# Altium PCB node24.PcbDoc (part 8 of 10)
Units mm, origin at the board's own origin, x right, y up, seen from the top; angles counter-clockwise.
Board outline 177.92 x 177.92 mm, 6 copper layers (L1 - Signal 1 (Top), L2 - Signal 2, L3 - Ground, L4 - Power, L5 - Signal 3, L6 - Signal 4 (Bot)), stack 1.511 mm thick; 721 components, 595 nets, 2782 pads, 2075 vias.
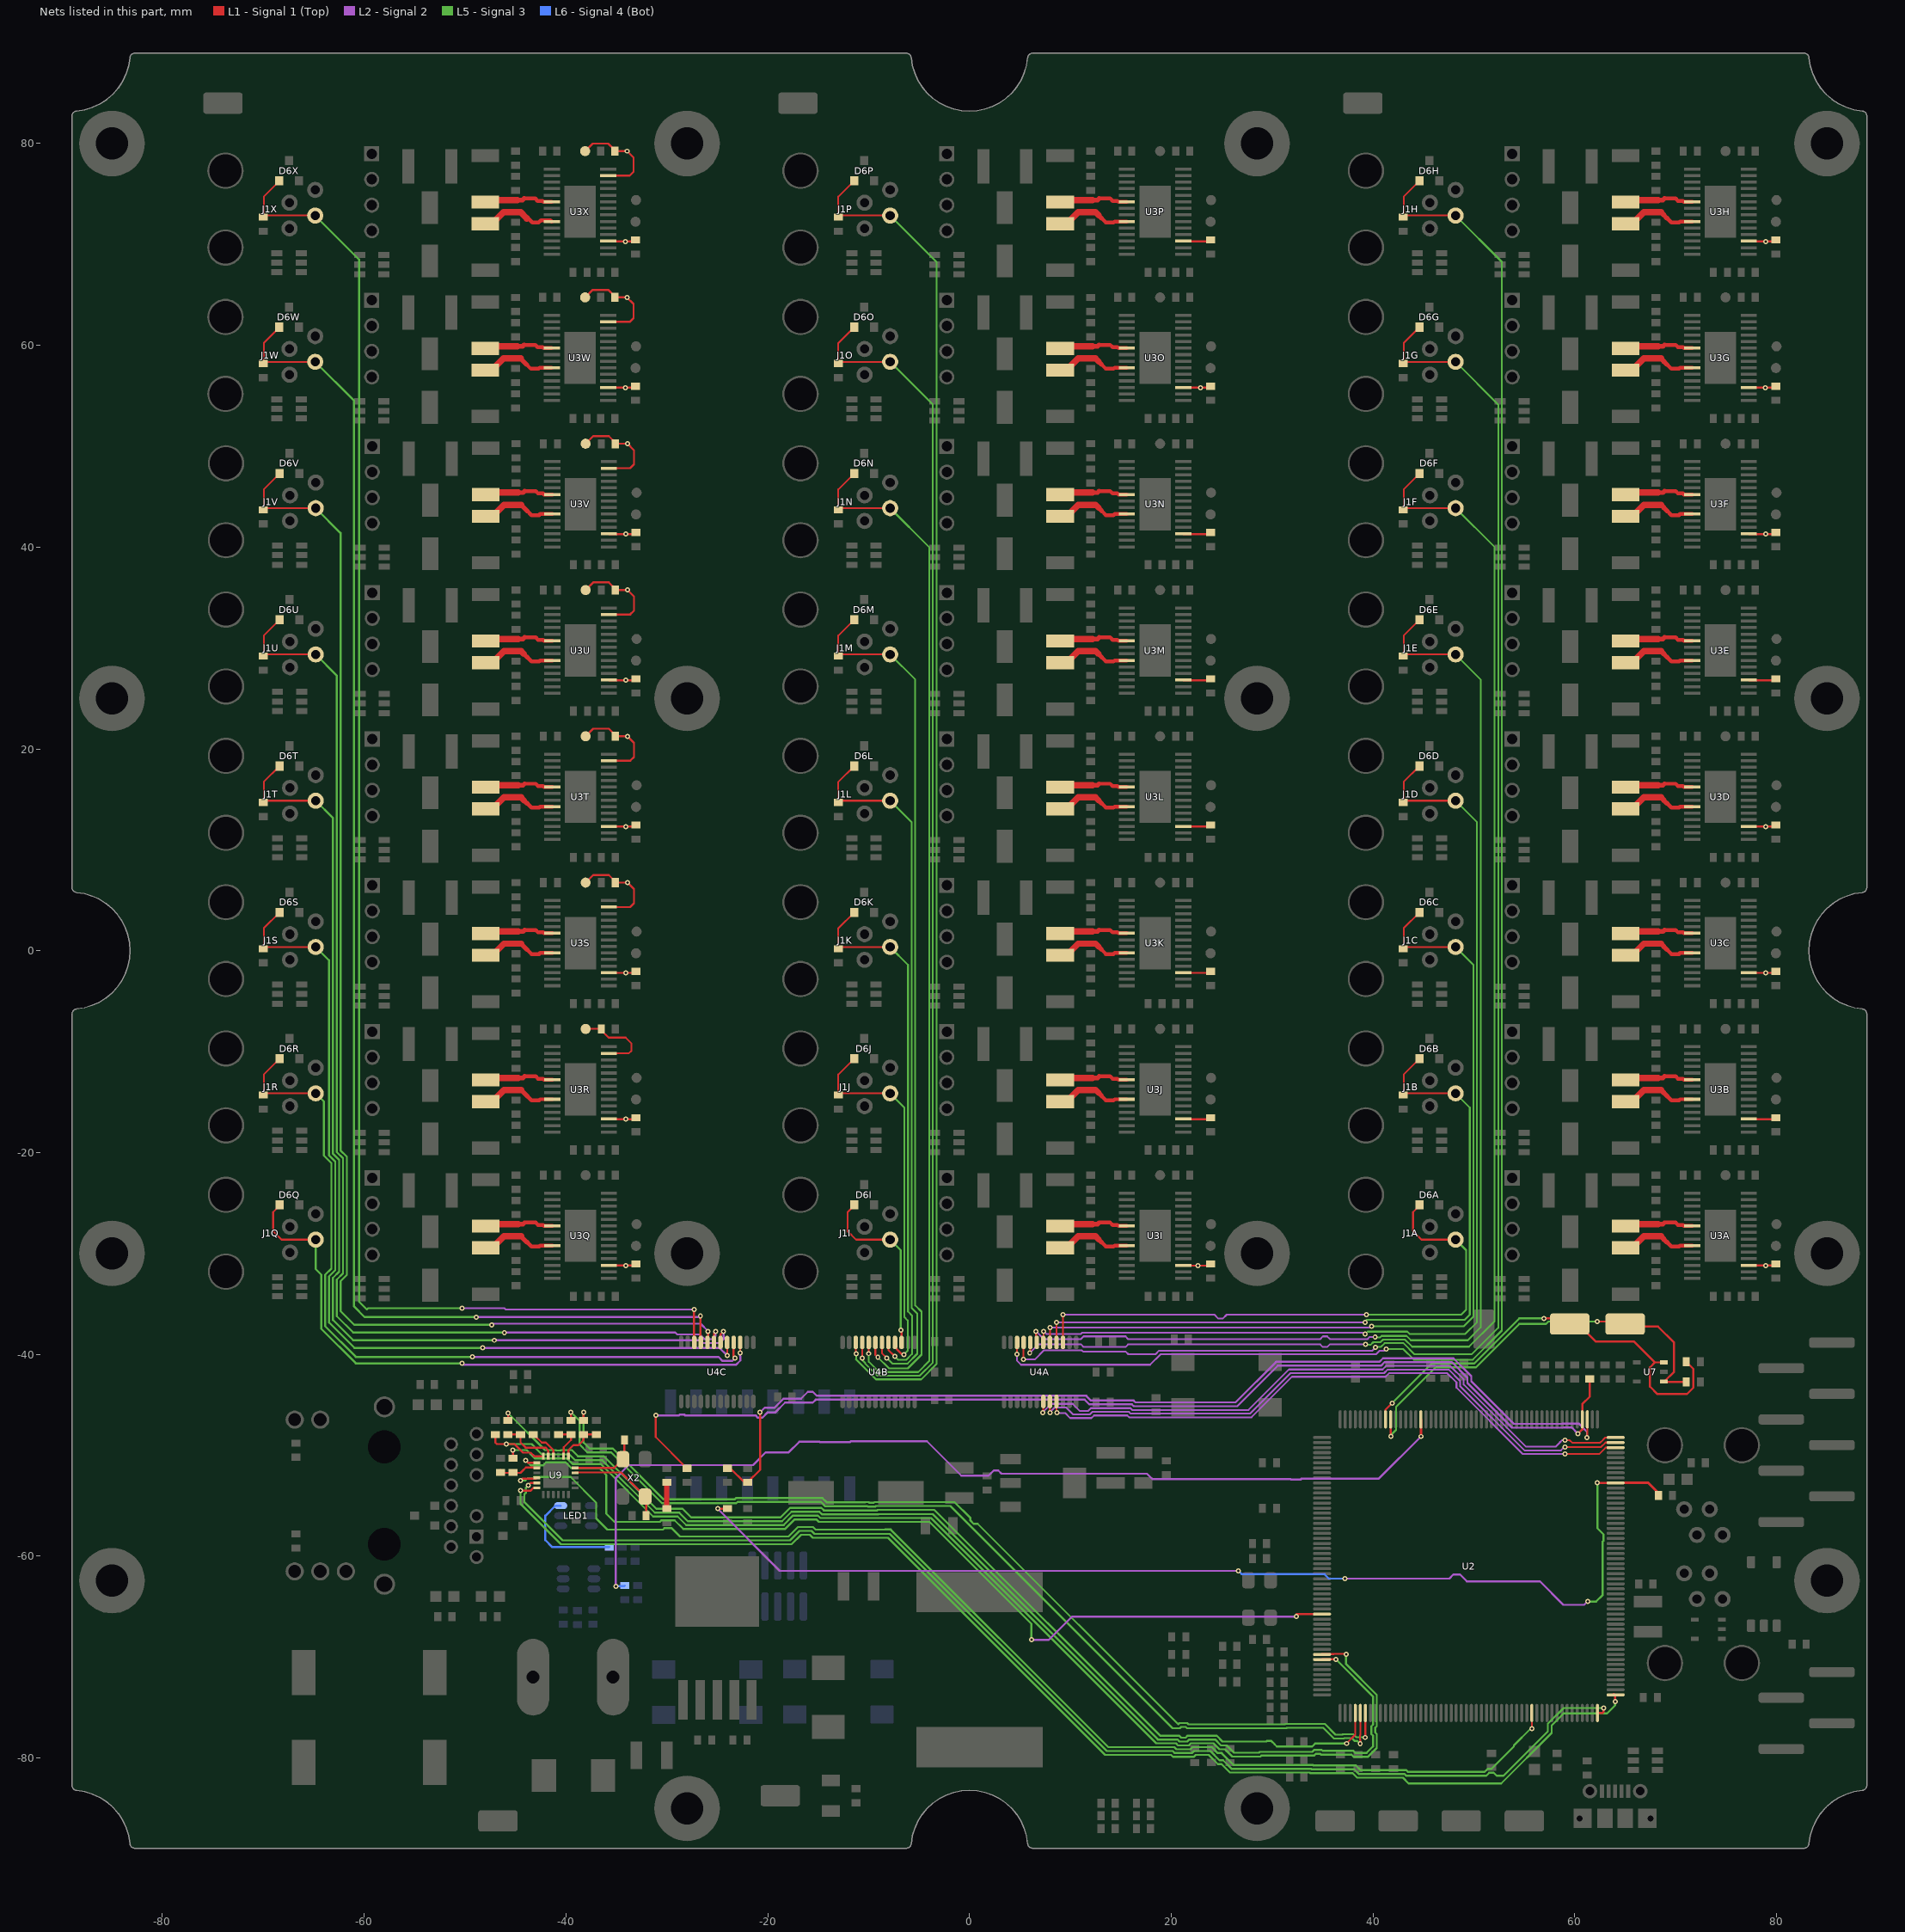
[diagram p12: the nets of this part, all layers, seen from the top]

## Via types
v1: diameter 0.508, hole 0.254, L1 - Signal 1 (Top) to L6 - Signal 4 (Bot), tented both sides, 1661 vias
v2: diameter 0.762, hole 0.381, L1 - Signal 1 (Top) to L6 - Signal 4 (Bot), 403 vias
v3: diameter 0.508, hole 0.254, L1 - Signal 1 (Top) to L6 - Signal 4 (Bot), 11 vias

## Nets (pads, with @x,y where several pads share a name; then routed paths per layer and width w, separated by ;. In a path a pad name is that pad's centre, name@x,y a point inside that pad or via, vN(x,y) a via of type N, cw(c..) or ccw(c..) an arc to the next point about the centre after c; other vN are vias at no path point) (continued)
DRV-nHOMER: R22R.1 TP14R.1 U3R.27 | length 8.3
  L1 - Signal 1 (Top) w0.18: TP14R.1@-38.05,-7.75 R22R.1@-36.5,-7.75 -36.5,-7.874 -35.763,-8.611 -34.087,-8.611 -33.503,-9.195 -33.503,-9.906 -33.772,-10.175 U3R.27@-35.75,-10.175
DRV-nHOMES: R22S.1 TP14S.1 U3S.27 | length 9.8
  L1 - Signal 1 (Top) w0.203: TP14S.1@-38.05,6.75 -37.3,7.5 -35.75,7.5 -35.1,6.85 R22S.1@-35.1,6.75 v1(-33.9,6.75) -33.25,6.1 -33.25,4.7 -33.625,4.325 U3S.27@-35.75,4.325
DRV-nHOMET: R22T.1 TP14T.1 U3T.27 | length 9.8
  L1 - Signal 1 (Top) w0.203: TP14T.1@-38.05,21.25 -37.3,22 -35.75,22 -35.1,21.35 R22T.1@-35.1,21.25 v1(-33.9,21.25) -33.25,20.6 -33.25,19.2 -33.625,18.825 U3T.27@-35.75,18.825
DRV-nHOMEU: R22U.1 TP14U.1 U3U.27 | length 9.8
  L1 - Signal 1 (Top) w0.203: TP14U.1@-38.05,35.75 -37.3,36.5 -35.75,36.5 -35.1,35.85 R22U.1@-35.1,35.75 v1(-33.9,35.75) -33.25,35.1 -33.25,33.7 -33.625,33.325 U3U.27@-35.75,33.325
DRV-nHOMEV: R22V.1 TP14V.1 U3V.27 | length 9.8
  L1 - Signal 1 (Top) w0.203: TP14V.1@-38.05,50.25 -37.3,51 -35.75,51 -35.1,50.35 R22V.1@-35.1,50.25 v1(-33.9,50.25) -33.25,49.6 -33.25,48.2 -33.625,47.825 U3V.27@-35.75,47.825
DRV-nHOMEW: R22W.1 TP14W.1 U3W.27 | length 9.8
  L1 - Signal 1 (Top) w0.203: TP14W.1@-38.1,64.75 -37.35,65.5 -35.8,65.5 -35.15,64.85 R22W.1@-35.15,64.75 v1(-33.95,64.75) -33.3,64.1 -33.3,62.7 -33.675,62.325 U3W.27@-35.8,62.325
DRV-nHOMEX: R22X.1 TP14X.1 U3X.27 | length 9.8
  L1 - Signal 1 (Top) w0.203: TP14X.1@-38.1,79.25 -37.35,80 -35.8,80 -35.15,79.35 R22X.1@-35.15,79.25 v1(-33.95,79.25) -33.942,79.25 -33.3,78.608 -33.3,77.2 -33.675,76.825 U3X.27@-35.8,76.825
DRV-nSLEEPA: R21A.1 U3A.17 | length 2.8
  L1 - Signal 1 (Top) w0.203: U3A.17@77.25,-31.175 77.275,-31.2 v1(78.95,-31.2) 79.8,-31.2 R21A.1@79.95,-31.05
DRV-nSLEEPB: R21B.1 U3B.17 | length 5.3
  L1 - Signal 1 (Top) w0.18: U3B.17@77.25,-16.675 79.825,-16.675 R21B.1@79.95,-16.55
  L1 - Signal 1 (Top) w0.203: U3B.17@77.25,-16.675 77.275,-16.7 79.8,-16.7 R21B.1@79.825,-16.675
DRV-nSLEEPC: R21C.1 U3C.17 | length 2.8
  L1 - Signal 1 (Top) w0.203: U3C.17@77.25,-2.175 77.275,-2.2 v1(78.95,-2.2) 79.8,-2.2 R21C.1@79.95,-2.05
DRV-nSLEEPD: R21D.1 U3D.17 | length 2.8
  L1 - Signal 1 (Top) w0.203: U3D.17@77.25,12.325 77.275,12.3 v1(78.95,12.3) 79.8,12.3 R21D.1@79.95,12.45
DRV-nSLEEPE: R21E.1 U3E.17 | length 2.8
  L1 - Signal 1 (Top) w0.203: U3E.17@77.25,26.825 77.275,26.8 78.95,26.8 79.8,26.8 R21E.1@79.95,26.95
DRV-nSLEEPF: R21F.1 U3F.17 | length 2.8
  L1 - Signal 1 (Top) w0.203: U3F.17@77.25,41.325 77.275,41.3 v1(78.95,41.3) 79.8,41.3 R21F.1@79.95,41.45
DRV-nSLEEPG: R21G.1 U3G.17 | length 2.8
  L1 - Signal 1 (Top) w0.203: U3G.17@77.25,55.825 77.275,55.8 78.173,55.8 78.194,55.82 78.93,55.82 78.91,55.8 v1(78.9,55.8) 79.8,55.8 R21G.1@79.95,55.95
DRV-nSLEEPH: R21H.1 U3H.17 | length 2.8
  L1 - Signal 1 (Top) w0.203: U3H.17@77.25,70.325 77.275,70.3 v1(78.95,70.3) 79.8,70.3 R21H.1@79.95,70.45
DRV-nSLEEPI: R21I.1 U3I.17 | length 2.8
  L1 - Signal 1 (Top) w0.203: U3I.17@21.2,-31.175 21.238,-31.213 v1(22.646,-31.213) 23.737,-31.213 R21I.1@23.9,-31.05
DRV-nSLEEPJ: R21J.1 U3J.17 | length 2.8
  L1 - Signal 1 (Top) w0.203: U3J.17@21.2,-16.675 21.225,-16.7 22.9,-16.7 23.75,-16.7 R21J.1@23.9,-16.55
DRV-nSLEEPK: R21K.1 U3K.17 | length 2.8
  L1 - Signal 1 (Top) w0.203: U3K.17@21.2,-2.175 21.225,-2.2 23.75,-2.2 R21K.1@23.9,-2.05
DRV-nSLEEPL: R21L.1 U3L.17 | length 2.8
  L1 - Signal 1 (Top) w0.203: U3L.17@21.2,12.325 21.225,12.3 23.75,12.3 R21L.1@23.9,12.45
DRV-nSLEEPM: R21M.1 U3M.17 | length 2.8
  L1 - Signal 1 (Top) w0.203: U3M.17@21.2,26.825 21.225,26.8 23.75,26.8 R21M.1@23.9,26.95
DRV-nSLEEPN: R21N.1 U3N.17 | length 2.8
  L1 - Signal 1 (Top) w0.203: U3N.17@21.2,41.325 21.225,41.3 23.75,41.3 R21N.1@23.9,41.45
DRV-nSLEEPO: R21O.1 U3O.17 | length 2.8
  L1 - Signal 1 (Top) w0.203: U3O.17@21.2,55.825 21.225,55.8 v1(22.9,55.8) 23.75,55.8 R21O.1@23.9,55.95
DRV-nSLEEPP: R21P.1 U3P.17 | length 2.8
  L1 - Signal 1 (Top) w0.203: U3P.17@21.2,70.325 21.225,70.3 22.9,70.3 23.75,70.3 R21P.1@23.9,70.45
DRV-nSLEEPQ: R21Q.1 U3Q.17 | length 2.8
  L1 - Signal 1 (Top) w0.203: U3Q.17@-35.75,-31.175 -35.725,-31.2 v1(-34.05,-31.2) -33.2,-31.2 R21Q.1@-33.05,-31.05
DRV-nSLEEPR: R21R.1 U3R.17 | length 2.8
  L1 - Signal 1 (Top) w0.203: U3R.17@-35.75,-16.675 -35.725,-16.7 v1(-34.05,-16.7) -33.2,-16.7 R21R.1@-33.05,-16.55
DRV-nSLEEPS: R21S.1 U3S.17 | length 2.8
  L1 - Signal 1 (Top) w0.203: U3S.17@-35.75,-2.175 -35.725,-2.2 v1(-34.05,-2.2) -33.2,-2.2 R21S.1@-33.05,-2.05
DRV-nSLEEPT: R21T.1 U3T.17 | length 2.8
  L1 - Signal 1 (Top) w0.203: U3T.17@-35.75,12.325 -35.725,12.3 v1(-34.05,12.3) -33.2,12.3 R21T.1@-33.05,12.45
DRV-nSLEEPU: R21U.1 U3U.17 | length 2.8
  L1 - Signal 1 (Top) w0.203: U3U.17@-35.75,26.825 -35.725,26.8 v1(-34.05,26.8) -33.2,26.8 R21U.1@-33.05,26.95
DRV-nSLEEPV: R21V.1 U3V.17 | length 2.8
  L1 - Signal 1 (Top) w0.203: U3V.17@-35.75,41.325 -35.725,41.3 v1(-34.05,41.3) -33.2,41.3 R21V.1@-33.05,41.45
DRV-nSLEEPW: R21W.1 U3W.17 | length 2.8
  L1 - Signal 1 (Top) w0.203: U3W.17@-35.8,55.825 -35.775,55.8 v1(-34.1,55.8) -33.25,55.8 R21W.1@-33.1,55.95
DRV-nSLEEPX: R21X.1 U3X.17 | length 2.8
  L1 - Signal 1 (Top) w0.203: U3X.17@-35.8,70.325 -35.775,70.3 v1(-34.1,70.3) -33.25,70.3 R21X.1@-33.1,70.45
ETH-CRS-DV: R9.1 U2.56 | length 102.1
  L1 - Signal 1 (Top) w0.2: R9.1@-45.75,-46.55 -45.72,-46.52 v1(-45.72,-45.847) ; v1(37.375,-78.575) 38.25,-77.7 U2.56@38.25,-75.55
  L5 - Signal 3 w0.2: v1(-45.72,-45.847) -42.067,-49.5 -41.006,-49.5 -40.971,-49.534 -40.529,-49.534 -40.494,-49.5 -39.415,-49.5 -38.806,-50.109 -36.239,-50.109 -31.035,-55.314 -28.436,-55.314 -27.59,-56.16 -18.731,-56.16 -17.792,-55.221 -14.68,-55.221 -14.431,-55.47 -9.164,-55.47 -9.104,-55.411 -3.489,-55.411 18.898,-77.798 20.782,-77.798 20.988,-78.004 21.43,-78.004 21.636,-77.798 24.504,-77.798 25.091,-78.385 29.444,-78.385 29.497,-78.333 29.939,-78.333 30.252,-78.646 30.252,-78.652 30.467,-78.867 33.983,-78.867 34.275,-78.575 v1(37.375,-78.575)
ETH-MDC: U2.36 U9.13 | length 93
  L1 - Signal 1 (Top) w0.2: v1(-44,-50.5) -43.75,-50.75 U9.13@-42.9,-50.75 ; v1(32.421,-66) 32.421,-65.75 U2.36@34.95,-65.75
  L2 - Signal 2 w0.2: v1(6.15,-68.3) 7.867,-68.3 10.167,-66 v1(32.421,-66)
  L5 - Signal 3 w0.2: v1(-44,-50.5) -43.5,-51 -42.256,-51 -41.971,-50.716 -40.029,-50.716 -39.494,-51.25 -36.712,-51.25 -36,-51.962 -36,-55.799 -35.188,-56.611 -30.692,-56.611 -30.536,-56.455 -29.219,-56.455 -28.373,-57.301 -18.259,-57.301 -17.319,-56.362 -15.193,-56.362 -14.944,-56.611 -8.691,-56.611 -8.689,-56.609 -3.968,-56.609 6.15,-66.727 v1(6.15,-68.3)
ETH-MDIO: R11.2 U2.45 U9.12 | length 117.8
  L1 - Signal 1 (Top) w0.2: R11.2@-47,-47.95 -47,-48.75 -46.85,-48.9 v1(-45.9,-48.9) -45.094,-48.9 -44.716,-49.279 -44.716,-49.284 -44.25,-49.75 -43.5,-49.75 -43.15,-50.1 U9.12@-42.25,-50.1 ; U2.45@34.95,-70.25 34.969,-70.231 v1(36.322,-70.231)
  L5 - Signal 3 w0.2: v1(-45.9,-48.9) -43.4,-48.9 -42.385,-49.915 -39.672,-49.915 -39.097,-50.489 -36.397,-50.489 -31.192,-55.694 -28.768,-55.694 -27.921,-56.541 -18.574,-56.541 -17.634,-55.601 -14.878,-55.601 -14.629,-55.85 -9.006,-55.85 -9.004,-55.848 -3.652,-55.848 18.679,-78.179 20.624,-78.179 20.83,-78.385 21.588,-78.385 21.794,-78.179 24.347,-78.179 24.934,-78.766 25.504,-78.766 26.226,-79.488 28.698,-79.488 28.785,-79.401 33.986,-79.401 34.165,-79.222 34.923,-79.222 35.002,-79.302 38.04,-79.302 38.24,-79.502 39.37,-79.502 40,-78.872 40,-77.794 39.835,-77.629 39.835,-76.871 40,-76.706 40,-73.909 v1(36.322,-70.231)
ETH-REF-CLK: R12.1 U2.44 | length 113.7
  L1 - Signal 1 (Top) w0.2: R12.1@-45.25,-50.3 v1(-45.25,-49.5) ; U2.44@34.95,-69.75 34.923,-69.723 36.074,-69.723 36.101,-69.697 37.312,-69.697 v1(37.338,-69.723)
  L5 - Signal 3 w0.2: v1(-45.25,-49.5) -43.9,-49.5 -43.065,-50.335 -39.871,-50.335 -39.337,-50.87 -36.555,-50.87 -31.35,-56.075 -28.925,-56.075 -28.079,-56.921 -18.416,-56.921 -17.477,-55.981 -15.035,-55.981 -14.786,-56.231 -8.849,-56.231 -8.846,-56.229 -3.81,-56.229 18.52,-78.559 20.467,-78.559 20.673,-78.765 21.745,-78.765 21.951,-78.559 24.189,-78.559 24.776,-79.146 25.346,-79.146 26.069,-79.869 28.855,-79.869 28.942,-79.782 34.144,-79.782 34.323,-79.603 34.765,-79.603 34.845,-79.682 37.882,-79.682 38.083,-79.882 39.528,-79.882 40.38,-79.03 40.38,-77.636 40.216,-77.471 40.216,-77.029 40.38,-76.864 40.38,-73.751 37.338,-70.709 v1(37.338,-69.723)
ETH-RXD0: R5.1 U2.57 | length 97.5
  L1 - Signal 1 (Top) w0.2: R5.1@-39.5,-46.55 v1(-39.5,-45.75) ; v1(38.735,-78.613) 38.68,-78.558 38.75,-78.489 38.75,-78.241 38.709,-78.199 38.709,-77.757 38.75,-77.715 U2.57@38.75,-75.55
  L5 - Signal 3 w0.2: v1(-39.5,-45.75) -38.63,-46.62 -38.63,-48.968 -37.87,-49.729 -35.512,-49.729 -30.478,-54.763 -23.116,-54.763 -22.989,-54.636 -14.727,-54.636 -14.323,-55.04 -10.196,-55.04 -10.187,-55.03 -10.138,-55.03 -10.079,-55.09 -9.321,-55.09 -9.262,-55.03 -1.889,-55.03 20.143,-77.063 20.861,-77.063 20.988,-76.936 21.43,-76.936 21.557,-77.063 31.432,-77.063 31.479,-77.016 35.076,-77.016 36.139,-78.079 37.116,-78.079 37.154,-78.041 37.902,-78.041 38.194,-78.332 38.454,-78.332 v1(38.735,-78.613)
ETH-RXD1: R6.1 U2.58 | length 96.3
  L1 - Signal 1 (Top) w0.2: R6.1@-38.25,-46.55 v1(-38.25,-45.75) ; v1(39.243,-77.978) 39.243,-75.557 U2.58@39.25,-75.55
  L5 - Signal 3 w0.2: v1(-38.25,-45.75) -38.25,-48.745 -37.647,-49.348 -35.354,-49.348 -30.32,-54.382 -23.274,-54.382 -23.147,-54.255 -14.57,-54.255 -14.166,-54.659 -10.354,-54.659 -10.344,-54.65 -9.981,-54.65 -9.921,-54.709 -9.479,-54.709 -9.419,-54.65 -1.484,-54.65 0.101,-56.235 0.101,-56.482 0.414,-56.795 0.816,-56.795 20.703,-76.682 20.83,-76.555 21.588,-76.555 21.715,-76.682 31.274,-76.682 31.321,-76.635 35.233,-76.635 36.296,-77.698 36.958,-77.698 36.996,-77.66 38.06,-77.66 38.351,-77.952 39.217,-77.952 v1(39.243,-77.978)
ETH-TX-EN: U2.91 U9.16 | length 119.6
  L1 - Signal 1 (Top) w0.2: v1(-44.5,-52.5) -44.33,-52.33 -42.98,-52.33 U9.16@-42.9,-52.25 ; U2.91@55.75,-75.55 55.753,-75.553 v1(55.753,-77.089)
  L5 - Signal 3 w0.2: v1(-44.5,-52.5) -44.006,-52.5 -43.79,-52.284 -43.284,-52.284 -43.165,-52.165 -39.542,-52.165 -37,-54.706 -37,-56.277 -35.905,-57.372 -30.377,-57.372 -30.221,-57.216 -29.534,-57.216 -28.688,-58.062 -17.943,-58.062 -17.004,-57.122 -15.508,-57.122 -15.259,-57.372 -8.376,-57.372 -8.374,-57.37 -7.806,-57.37 13.764,-78.939 20.309,-78.939 20.515,-79.145 21.903,-79.145 22.109,-78.939 24.031,-78.939 24.618,-79.526 25.006,-79.526 26.173,-80.694 34.034,-80.694 34.091,-80.751 38.301,-80.751 38.756,-81.205 43.286,-81.205 43.481,-81.4 51.056,-81.4 51.371,-81.085 51.757,-81.085 53.966,-78.876 53.966,-78.779 55.655,-77.089 v1(55.753,-77.089)
ETH-TXD0: U2.104 U9.17 | length 126.6
  L1 - Signal 1 (Top) w0.2: v1(-43.75,-53) -43.5,-52.75 U9.17@-42.9,-52.75 ; U2.104@62.25,-75.55 62.753,-75.55 62.865,-75.438 v1(62.865,-75.057) v1@62.743,-75.057
  L5 - Signal 3 w0.2: v1(-43.75,-53) -43.966,-53.216 -43.966,-53.721 -44.12,-53.875 -44.12,-54.656 -40.33,-58.446 -17.79,-58.446 -16.846,-57.503 -15.666,-57.503 -15.361,-57.808 -7.905,-57.808 13.607,-79.32 20.151,-79.32 20.358,-79.526 22.06,-79.526 22.267,-79.32 23.874,-79.32 24.793,-80.238 25.144,-80.238 25.98,-81.074 33.876,-81.074 33.933,-81.131 38.144,-81.131 38.598,-81.585 43.129,-81.585 43.324,-81.78 51.214,-81.78 51.529,-81.466 51.971,-81.466 52.286,-81.78 52.932,-81.78 57.335,-77.377 57.335,-76.621 58.899,-75.057 v1(62.865,-75.057)
ETH-TXD1: U2.105 U9.18 | length 128.5
  L1 - Signal 1 (Top) w0.2: v1(-44.5,-53.5) -44.466,-53.534 -43.529,-53.534 -43.247,-53.253 ; U2.105@63.881,-73.68 64.008,-73.807 v1(64.008,-74.422)
  L5 - Signal 3 w0.2: v1(-44.5,-53.5) -44.5,-54.814 -40.487,-58.827 -17.632,-58.827 -16.689,-57.883 -15.823,-57.883 -15.518,-58.188 -8.063,-58.188 13.449,-79.7 19.994,-79.7 20.2,-79.906 22.218,-79.906 22.424,-79.7 23.716,-79.7 24.635,-80.619 24.986,-80.619 25.822,-81.454 33.719,-81.454 33.776,-81.511 37.986,-81.511 38.441,-81.966 42.971,-81.966 43.54,-82.534 52.716,-82.534 57.716,-77.534 57.716,-76.779 58.903,-75.591 63.22,-75.591 64.008,-74.803 v1(64.008,-74.422)
ETH-XTAL1: C5.1 U9.5 X2.1 | length 7.1
  L1 - Signal 1 (Top) w0.2: U9.5@-39.1,-51.25 -35.2,-51.25 X2.1@-34.35,-50.4 -34.2,-50.25 C5.1@-34.2,-48.5
ETH-XTAL2: C4.1 U9.4 X2.3 | length 9.9
  L1 - Signal 1 (Top) w0.2: U9.4@-39.1,-51.75 -39.066,-51.716 -34.534,-51.716 X2.3@-32.15,-54.1 -32.05,-54.2 C4.1@-32.05,-56
I2C-SCL: R71.1 TP2.1 U2.198 U7.1 | length 43.8
  L1 - Signal 1 (Top) w0.203: U2.198@41.75,-46.45 41.75,-48.1 v1(41.783,-48.133) ; v1(62.25,-36.75) 64.215,-36.75 64.643,-36.322 65.571,-37.25 68.25,-37.25 69.85,-38.85 69.85,-41.733 68.883,-42.7 U7.1@68.85,-42.7 68.9,-42.75 R71.1@71.05,-42.75
  L5 - Signal 3 w0.203: v1(41.783,-48.133) 41.656,-48.133 42.291,-47.498 42.291,-45.212 46.218,-41.285 50.207,-41.285 54.508,-36.985 56.706,-36.985 56.713,-36.978 56.719,-36.985 57.163,-36.985 57.398,-36.75 v1(62.25,-36.75)
I2C-SDA: R72.1 TP4.1 U2.199 U7.3 | length 44.4
  L1 - Signal 1 (Top) w0.203: U2.199@41.25,-46.45 41.25,-45.491 v1(41.91,-44.831) ; v1(56.941,-36.449) 59.817,-36.449 62.118,-38.75 65.9,-38.75 67.95,-40.8 ; U7.3@68.85,-40.8 67.95,-40.8 ; R72.1@71.05,-40.75 71.75,-41.45 71.75,-43.312 71.12,-43.942 68.199,-43.942 67.464,-43.207 67.464,-41.286 67.95,-40.8
  L5 - Signal 3 w0.203: v1(41.91,-44.831) 45.839,-40.902 50.049,-40.902 54.501,-36.449 v1(56.941,-36.449)
ISENAA: R24A.1 U3A.6 | length 6.9
  L1 - Signal 1 (Top) w0.381: 68.902,-26.948 70.004,-26.948 70.243,-27.186 70.73,-27.186 70.819,-27.275 U3A.6@71.65,-27.275
  L1 - Signal 1 (Top) w0.457: 68.25,-27.1 68.75,-27.1 68.902,-26.948
  L1 - Signal 1 (Top) w0.635: R24A.1@65.05,-27.3 65.25,-27.1 68.25,-27.1
ISENAB: R24B.1 U3B.6 | length 6.9
  L1 - Signal 1 (Top) w0.381: 68.902,-12.448 70.004,-12.448 70.243,-12.686 70.73,-12.686 70.819,-12.775 U3B.6@71.65,-12.775
  L1 - Signal 1 (Top) w0.457: 68.25,-12.6 68.75,-12.6 68.902,-12.448
  L1 - Signal 1 (Top) w0.635: R24B.1@65.05,-12.8 65.25,-12.6 68.25,-12.6
ISENAC: R24C.1 U3C.6 | length 6.9
  L1 - Signal 1 (Top) w0.381: 68.902,2.052 70.004,2.052 70.243,1.814 70.73,1.814 70.819,1.725 U3C.6@71.65,1.725
  L1 - Signal 1 (Top) w0.457: 68.25,1.9 68.75,1.9 68.902,2.052
  L1 - Signal 1 (Top) w0.635: R24C.1@65.05,1.7 65.25,1.9 68.25,1.9
ISENAD: R24D.1 U3D.6 | length 6.9
  L1 - Signal 1 (Top) w0.381: 68.902,16.552 70.004,16.552 70.243,16.314 70.73,16.314 70.819,16.225 U3D.6@71.65,16.225
  L1 - Signal 1 (Top) w0.457: 68.25,16.4 68.75,16.4 68.902,16.552
  L1 - Signal 1 (Top) w0.635: R24D.1@65.05,16.2 65.25,16.4 68.25,16.4
ISENAE: R24E.1 U3E.6 | length 6.9
  L1 - Signal 1 (Top) w0.381: 68.902,31.052 70.004,31.052 70.243,30.814 70.73,30.814 70.819,30.725 U3E.6@71.65,30.725
  L1 - Signal 1 (Top) w0.457: 68.25,30.9 68.75,30.9 68.902,31.052
  L1 - Signal 1 (Top) w0.635: R24E.1@65.05,30.7 65.25,30.9 68.25,30.9
ISENAF: R24F.1 U3F.6 | length 6.9
  L1 - Signal 1 (Top) w0.381: 68.902,45.552 70.004,45.552 70.243,45.314 70.73,45.314 70.819,45.225 U3F.6@71.65,45.225
  L1 - Signal 1 (Top) w0.457: 68.25,45.4 68.75,45.4 68.902,45.552
  L1 - Signal 1 (Top) w0.635: R24F.1@65.05,45.2 65.25,45.4 68.25,45.4
ISENAG: R24G.1 U3G.6 | length 6.9
  L1 - Signal 1 (Top) w0.381: 68.902,60.052 70.004,60.052 70.243,59.814 70.73,59.814 70.819,59.725 U3G.6@71.65,59.725
  L1 - Signal 1 (Top) w0.457: 68.25,59.9 68.75,59.9 68.902,60.052
  L1 - Signal 1 (Top) w0.635: R24G.1@65.05,59.7 65.25,59.9 68.25,59.9
ISENAH: R24H.1 U3H.6 | length 6.9
  L1 - Signal 1 (Top) w0.381: 68.902,74.552 70.004,74.552 70.243,74.314 70.73,74.314 70.819,74.225 U3H.6@71.65,74.225
  L1 - Signal 1 (Top) w0.457: 68.25,74.4 68.75,74.4 68.902,74.552
  L1 - Signal 1 (Top) w0.635: R24H.1@65.05,74.2 65.25,74.4 68.25,74.4
ISENAI: R24I.1 U3I.6 | length 6.9
  L1 - Signal 1 (Top) w0.381: 12.852,-26.948 13.954,-26.948 14.193,-27.186 14.68,-27.186 14.769,-27.275 U3I.6@15.6,-27.275
  L1 - Signal 1 (Top) w0.457: 12.2,-27.1 12.7,-27.1 12.852,-26.948
  L1 - Signal 1 (Top) w0.635: R24I.1@9,-27.3 9.2,-27.1 12.2,-27.1
ISENAJ: R24J.1 U3J.6 | length 6.9
  L1 - Signal 1 (Top) w0.381: 12.852,-12.448 13.954,-12.448 14.193,-12.686 14.68,-12.686 14.769,-12.775 U3J.6@15.6,-12.775
  L1 - Signal 1 (Top) w0.457: 12.2,-12.6 12.7,-12.6 12.852,-12.448
  L1 - Signal 1 (Top) w0.635: R24J.1@9,-12.8 9.2,-12.6 12.2,-12.6
ISENAK: R24K.1 U3K.6 | length 6.9
  L1 - Signal 1 (Top) w0.381: 12.852,2.052 13.954,2.052 14.193,1.814 14.68,1.814 14.769,1.725 U3K.6@15.6,1.725
  L1 - Signal 1 (Top) w0.457: 12.2,1.9 12.7,1.9 12.852,2.052
  L1 - Signal 1 (Top) w0.635: R24K.1@9,1.7 9.2,1.9 12.2,1.9
ISENAL: R24L.1 U3L.6 | length 6.9
  L1 - Signal 1 (Top) w0.381: 12.852,16.552 13.954,16.552 14.193,16.314 14.68,16.314 14.769,16.225 U3L.6@15.6,16.225
  L1 - Signal 1 (Top) w0.457: 12.2,16.4 12.7,16.4 12.852,16.552
  L1 - Signal 1 (Top) w0.635: R24L.1@9,16.2 9.2,16.4 12.2,16.4
ISENAM: R24M.1 U3M.6 | length 6.9
  L1 - Signal 1 (Top) w0.381: 12.852,31.052 13.954,31.052 14.193,30.814 14.68,30.814 14.769,30.725 U3M.6@15.6,30.725
  L1 - Signal 1 (Top) w0.457: 12.2,30.9 12.7,30.9 12.852,31.052
  L1 - Signal 1 (Top) w0.635: R24M.1@9,30.7 9.2,30.9 12.2,30.9
ISENAN: R24N.1 U3N.6 | length 6.9
  L1 - Signal 1 (Top) w0.381: 12.852,45.552 13.954,45.552 14.193,45.314 14.68,45.314 14.769,45.225 U3N.6@15.6,45.225
  L1 - Signal 1 (Top) w0.457: 12.2,45.4 12.7,45.4 12.852,45.552
  L1 - Signal 1 (Top) w0.635: R24N.1@9,45.2 9.2,45.4 12.2,45.4
ISENAO: R24O.1 U3O.6 | length 6.9
  L1 - Signal 1 (Top) w0.381: 12.852,60.052 13.954,60.052 14.193,59.814 14.68,59.814 14.769,59.725 U3O.6@15.6,59.725
  L1 - Signal 1 (Top) w0.457: 12.2,59.9 12.7,59.9 12.852,60.052
  L1 - Signal 1 (Top) w0.635: R24O.1@9,59.7 9.2,59.9 12.2,59.9
ISENAP: R24P.1 U3P.6 | length 6.9
  L1 - Signal 1 (Top) w0.381: 12.852,74.552 13.954,74.552 14.193,74.314 14.68,74.314 14.769,74.225 U3P.6@15.6,74.225
  L1 - Signal 1 (Top) w0.457: 12.2,74.4 12.7,74.4 12.852,74.552
  L1 - Signal 1 (Top) w0.635: R24P.1@9,74.2 9.2,74.4 12.2,74.4
ISENAQ: R24Q.1 U3Q.6 | length 6.9
  L1 - Signal 1 (Top) w0.381: -44.098,-26.948 -42.996,-26.948 -42.757,-27.186 -42.27,-27.186 -42.181,-27.275 U3Q.6@-41.35,-27.275
  L1 - Signal 1 (Top) w0.457: -44.75,-27.1 -44.25,-27.1 -44.098,-26.948
  L1 - Signal 1 (Top) w0.635: R24Q.1@-47.95,-27.3 -47.75,-27.1 -44.75,-27.1
ISENAR: R24R.1 U3R.6 | length 6.9
  L1 - Signal 1 (Top) w0.381: -44.098,-12.448 -42.996,-12.448 -42.757,-12.686 -42.27,-12.686 -42.181,-12.775 U3R.6@-41.35,-12.775
  L1 - Signal 1 (Top) w0.457: -44.75,-12.6 -44.25,-12.6 -44.098,-12.448
  L1 - Signal 1 (Top) w0.635: R24R.1@-47.95,-12.8 -47.75,-12.6 -44.75,-12.6